# KiCad board fpga_panelized.kicad_pcb (continued)
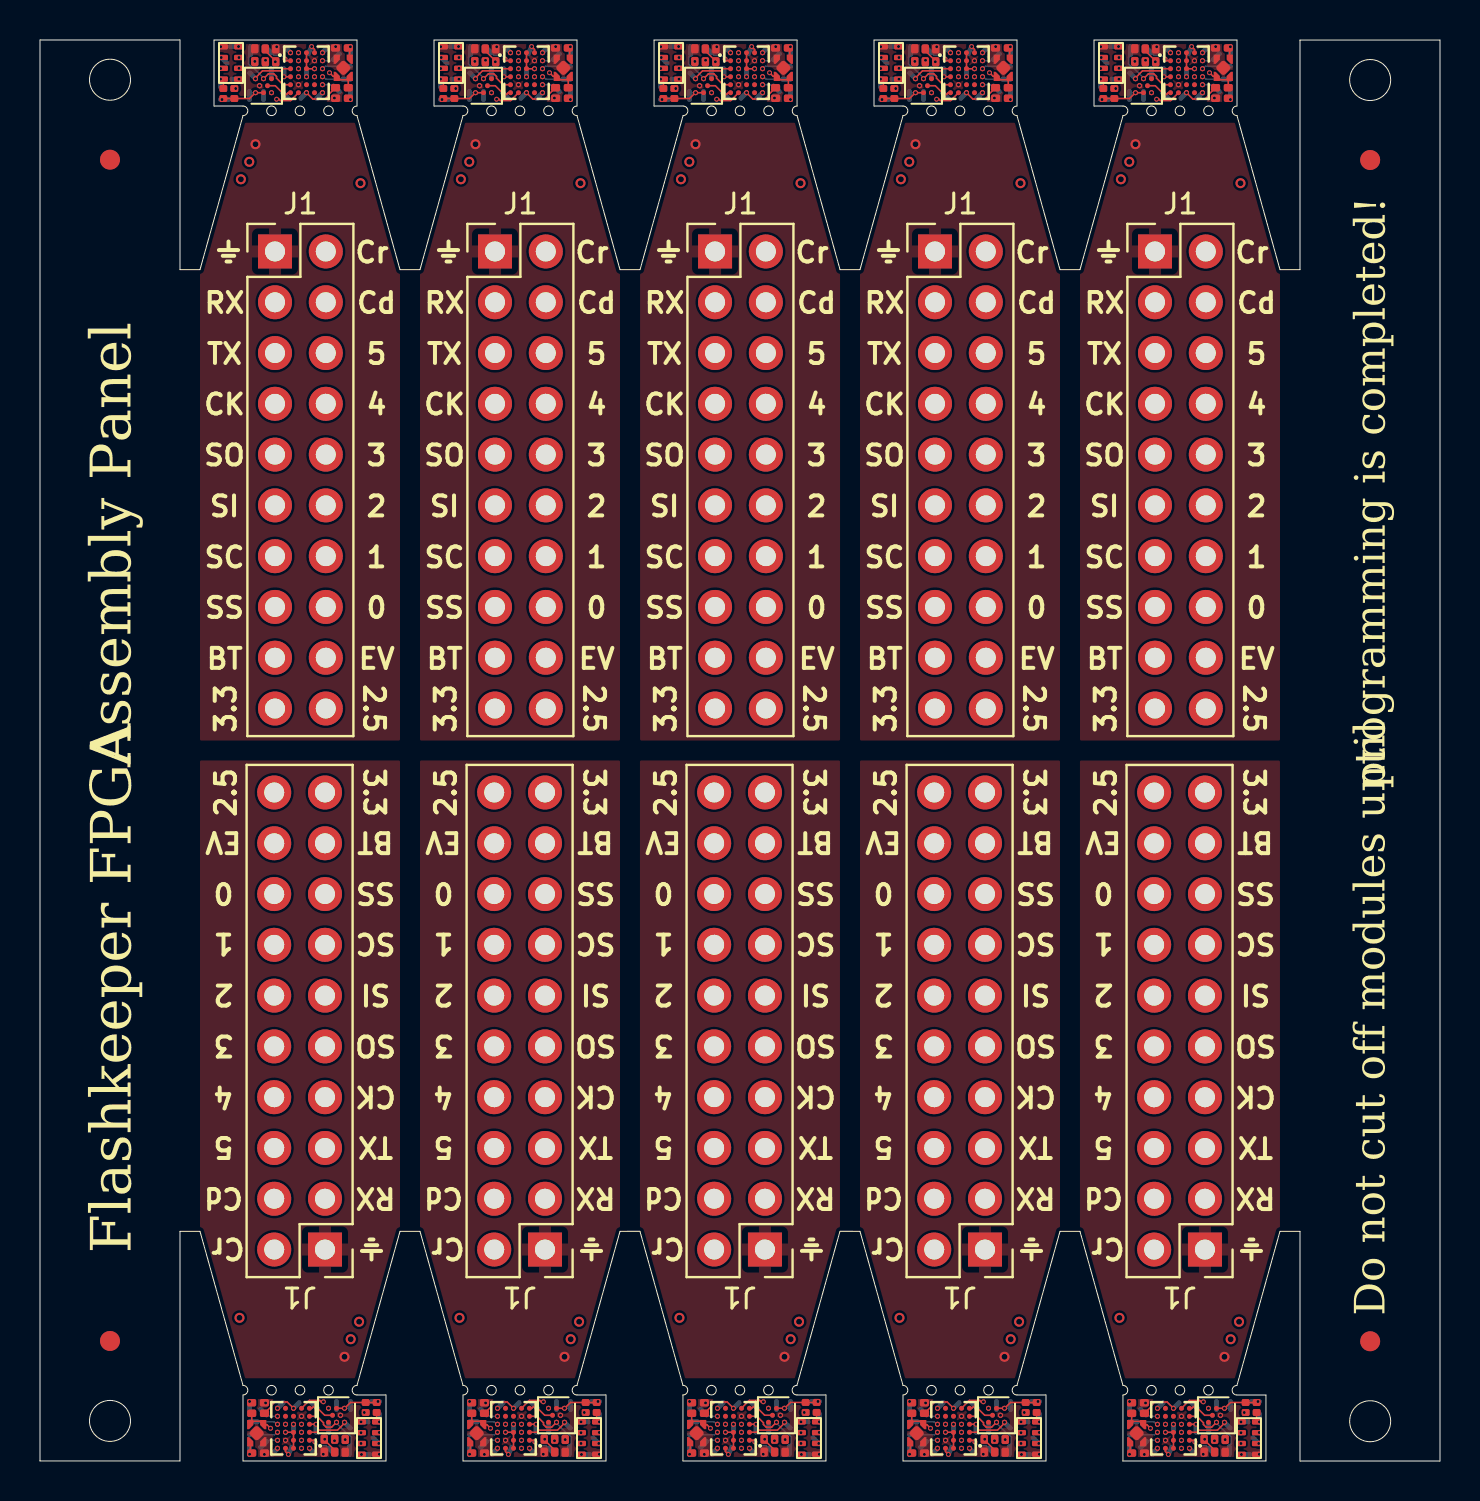
[diagram p0: board, top side]
## Routing (per net, layer and track width the routed paths; a pad name or vN(x,y) marks a point on that pad's centre or on a via; arc(x,y) is an arc through that point) (continued)
GPIO0: length 301.1
  In2.Cu w0.076: v1(55.87,0.64) 55.65,0.64 54.79,1.49 54.79,2.84 54.79,2.85 54.79,3.11 54.79,3.11 54.79,4.45 54.55,4.69 ; 32.55,4.69 32.79,4.45 32.79,3.11 32.79,3.11 32.79,2.85 32.79,2.84 32.79,1.5 33.65,0.64 v1(33.87,0.64) ; v1(22.88,0.64) 22.65,0.64 21.79,1.5 21.79,2.84 21.79,2.85 21.79,3.11 21.79,3.11 21.79,4.45 21.55,4.69 ; v1(47.12,70.44) 47.35,70.44 48.21,69.58 48.21,68.23 48.21,68.23 48.21,67.97 48.21,67.96 48.21,66.63 48.45,66.39 ; 15.45,66.39 15.21,66.63 15.21,67.96 15.21,67.97 15.21,68.23 15.21,68.23 15.21,69.58 14.35,70.44 v1(14.12,70.44) ; v1(58.12,70.44) 58.35,70.44 59.21,69.58 59.21,68.23 59.21,68.23 59.21,67.97 59.21,67.96 59.21,66.63 59.45,66.39 ; 10.55,4.69 10.79,4.45 10.79,3.11 10.79,3.11 10.79,2.85 10.79,2.84 10.79,1.5 11.65,0.64 v1(11.88,0.64) ; v1(25.12,70.44) 25.35,70.44 26.21,69.58 26.21,68.23 26.21,68.23 26.21,67.97 26.21,67.96 26.21,66.63 26.45,66.39 ; 43.55,4.69 43.79,4.45 43.79,3.11 43.79,3.11 43.79,2.85 43.79,2.84 43.79,1.5 44.65,0.64 v1(44.88,0.64) ; 37.45,66.39 37.21,66.63 37.21,67.96 37.21,67.97 37.21,68.23 37.21,68.23 37.21,69.58 36.35,70.44 v1(36.13,70.44)
  In2.Cu w0.125: 59.45,66.39 59.45,63.61 60.93,62.14 60.93,45.35 J1#2.16 ; 43.55,4.69 43.55,7.46 42.08,8.94 42.08,25.72 J1#5.16 ; J1#4.16 38.93,45.35 38.93,62.14 37.45,63.61 37.45,66.39 ; 54.55,4.69 54.55,7.46 53.07,8.94 53.07,25.72 J1#8.16 ; J1#9.16 9.08,25.72 9.08,8.94 10.55,7.46 10.55,4.69 ; 48.45,66.39 48.45,63.61 49.93,62.14 49.93,45.35 J1#3.16 ; J1#10.16 20.08,25.72 20.08,8.94 21.55,7.46 21.55,4.69 ; J1#7.16 31.07,25.72 31.07,8.94 32.55,7.46 32.55,4.69 ; J1#6.16 27.93,45.35 27.93,62.14 26.45,63.61 26.45,66.39 ; 15.45,66.39 15.45,63.61 16.93,62.14 16.93,45.35 J1.16
GPIO1: length 277.8
  In1.Cu w0.076: 37.05,66.44 37.06,66.44 37.06,67.97 37.1,68.01 37.1,68.25 37.06,68.29 37.06,69.3 36.32,70.04 v1(36.13,70.04) ; 43.95,4.64 43.94,4.63 43.94,3.1 43.91,3.06 43.91,2.82 43.94,2.78 43.94,1.77 44.68,1.04 v1(44.88,1.04) ; 21.95,4.64 21.94,4.63 21.94,3.1 21.91,3.06 21.91,2.82 21.95,2.78 21.95,1.77 22.68,1.04 v1(22.88,1.04) ; v1(58.12,70.04) 58.32,70.04 59.06,69.3 59.06,68.29 59.09,68.25 59.09,68.01 59.06,67.97 59.06,66.44 59.05,66.44 ; v1(33.87,1.04) 33.68,1.04 32.94,1.77 32.94,2.78 32.9,2.82 32.9,3.06 32.94,3.1 32.94,4.63 32.95,4.64 ; 54.95,4.64 54.94,4.63 54.94,3.1 54.9,3.06 54.9,2.82 54.94,2.78 54.94,1.77 55.68,1.04 v1(55.87,1.04) ; 15.05,66.44 15.06,66.44 15.06,67.97 15.09,68.01 15.09,68.25 15.06,68.29 15.06,69.3 14.32,70.04 v1(14.12,70.04) ; 10.95,4.64 10.94,4.63 10.94,3.1 10.91,3.06 10.91,2.82 10.95,2.78 10.95,1.77 11.68,1.04 v1(11.88,1.04) ; 26.05,66.44 26.06,66.44 26.06,67.97 26.09,68.01 26.09,68.25 26.06,68.29 26.06,69.3 25.32,70.04 v1(25.12,70.04) ; v1(47.12,70.04) 47.32,70.04 48.06,69.3 48.06,68.29 48.09,68.25 48.09,68.01 48.06,67.97 48.06,66.44 48.05,66.44
  In1.Cu w0.125: 54.95,4.64 54.95,7.41 53.32,9.04 53.32,23.43 J1#8.14 ; 48.05,66.44 48.05,63.66 49.68,62.04 49.68,47.64 J1#3.14 ; 37.05,66.44 37.05,63.66 38.68,62.04 38.68,47.64 J1#4.14 ; J1#7.14 31.32,23.43 31.32,9.04 32.95,7.41 32.95,4.64 ; 26.05,66.44 26.05,63.66 27.68,62.04 27.68,47.64 J1#6.14 ; 10.95,4.64 10.95,7.41 9.33,9.04 9.33,23.43 J1#9.14 ; J1#2.14 60.68,47.64 60.68,62.04 59.05,63.66 59.05,66.44 ; 43.95,4.64 43.95,7.41 42.33,9.04 42.33,23.43 J1#5.14 ; J1.14 16.68,47.64 16.68,62.04 15.05,63.66 15.05,66.44 ; 21.95,4.64 21.95,7.41 20.33,9.04 20.33,23.43 J1#10.14
  Bottom w0.076: v1(11.88,1.04) 11.47,1.04 11.23,0.8 11.21,0.8 TP3#6.1 ; v1(25.12,70.04) 25.53,70.04 25.77,70.27 25.79,70.27 TP3#9.1 ; v1(14.12,70.04) 14.53,70.04 14.77,70.27 14.79,70.27 TP3#3.1 ; v1(22.88,1.04) 22.47,1.04 22.23,0.8 22.21,0.8 TP3#7.1 ; v1(47.12,70.04) 47.53,70.04 47.77,70.27 47.79,70.27 TP3#2.1 ; TP3#10.1 55.21,0.8 55.23,0.8 55.47,1.04 v1(55.87,1.04) ; v1(36.13,70.04) 36.53,70.04 36.77,70.27 36.79,70.27 TP3#8.1 ; TP3#5.1 44.21,0.8 44.23,0.8 44.47,1.04 v1(44.88,1.04) ; v1(33.87,1.04) 33.47,1.04 33.23,0.8 33.21,0.8 TP3.1 ; v1(58.12,70.04) 58.53,70.04 58.77,70.27 58.79,70.27 TP3#4.1
GPIO2: length 256.1
  In2.Cu w0.076: v1(58.12,69.64) 58.23,69.64 58.34,69.75 58.61,69.75 58.9,69.45 58.9,68.43 59.03,68.3 59.03,68.04 58.9,67.91 58.9,66.54 58.75,66.39 ; 36.75,66.39 36.91,66.54 36.91,67.91 37.04,68.04 37.04,68.3 36.91,68.43 36.91,69.45 36.61,69.75 36.35,69.75 36.23,69.64 v1(36.13,69.64) ; 55.25,4.69 55.09,4.53 55.09,3.16 54.96,3.03 54.96,2.77 55.09,2.64 55.09,1.62 55.39,1.32 55.65,1.32 55.77,1.44 v1(55.87,1.44) ; 14.75,66.39 14.9,66.54 14.9,67.91 15.04,68.04 15.04,68.3 14.9,68.43 14.9,69.45 14.61,69.75 14.34,69.75 14.23,69.64 v1(14.12,69.64) ; v1(44.88,1.44) 44.77,1.44 44.66,1.32 44.39,1.32 44.1,1.62 44.1,2.64 43.97,2.77 43.97,3.03 44.1,3.17 44.1,4.53 44.25,4.69 ; 47.75,66.39 47.9,66.54 47.9,67.91 48.03,68.04 48.03,68.3 47.9,68.43 47.9,69.45 47.61,69.75 47.34,69.75 47.23,69.64 v1(47.12,69.64) ; 25.75,66.39 25.9,66.54 25.9,67.91 26.04,68.04 26.04,68.3 25.9,68.43 25.9,69.45 25.61,69.75 25.34,69.75 25.23,69.64 v1(25.12,69.64) ; 11.25,4.69 11.1,4.53 11.1,3.17 10.97,3.03 10.97,2.77 11.1,2.64 11.1,1.62 11.39,1.32 11.66,1.32 11.77,1.44 v1(11.88,1.44) ; v1(33.87,1.44) 33.77,1.44 33.65,1.32 33.39,1.32 33.09,1.62 33.09,2.64 32.96,2.77 32.96,3.03 33.09,3.17 33.09,4.54 33.25,4.69 ; v1(22.88,1.44) 22.77,1.44 22.66,1.32 22.39,1.32 22.1,1.62 22.1,2.64 21.97,2.77 21.97,3.03 22.1,3.17 22.1,4.53 22.25,4.69
  In2.Cu w0.125: J1#8.12 53.57,21.14 53.57,9.14 55.25,7.46 55.25,4.69 ; 36.75,66.39 36.75,63.61 38.43,61.94 38.43,49.93 J1#4.12 ; J1.12 16.43,49.93 16.43,61.94 14.75,63.61 14.75,66.39 ; 22.25,4.69 22.25,7.46 20.58,9.14 20.58,21.14 J1#10.12 ; J1#7.12 31.57,21.14 31.57,9.14 33.25,7.46 33.25,4.69 ; J1#5.12 42.58,21.14 42.58,9.14 44.25,7.46 44.25,4.69 ; J1#3.12 49.43,49.93 49.43,61.94 47.75,63.61 47.75,66.39 ; J1#6.12 27.43,49.93 27.43,61.94 25.75,63.61 25.75,66.39 ; 58.75,66.39 58.75,63.61 60.43,61.94 60.43,49.93 J1#2.12 ; J1#9.12 9.58,21.14 9.58,9.14 11.25,7.46 11.25,4.69
  Bottom w0.076: v1(55.87,1.44) 55.85,1.44 55.72,1.31 54.67,1.31 ; 10.68,1.31 11.73,1.31 11.85,1.44 v1(11.88,1.44) ; v1(47.12,69.64) 47.15,69.64 47.27,69.76 48.32,69.76 ; 32.67,1.31 33.72,1.31 33.85,1.44 v1(33.87,1.44) ; v1(25.12,69.64) 25.15,69.64 25.27,69.76 26.32,69.76 ; 21.68,1.31 22.73,1.31 22.85,1.44 v1(22.88,1.44) ; v1(58.12,69.64) 58.15,69.64 58.27,69.76 59.32,69.76 ; 15.32,69.76 14.27,69.76 14.15,69.64 v1(14.12,69.64) ; v1(44.88,1.44) 44.85,1.44 44.73,1.31 43.68,1.31 ; v1(36.13,69.64) 36.15,69.64 36.28,69.76 37.33,69.76
GPIO3: length 210.7
  In2.Cu w0.076: 45.1,4.69 45.21,4.58 45.21,2.83 45.21,2.83 45.21,2.53 44.92,2.24 v1(44.88,2.24) ; 12.1,4.69 12.21,4.58 12.21,2.83 12.21,2.83 12.21,2.53 11.92,2.24 v1(11.88,2.24) ; 34.1,4.69 34.21,4.58 34.21,2.83 34.21,2.83 34.21,2.53 33.92,2.24 v1(33.87,2.24) ; v1(47.12,68.84) 47.08,68.84 46.79,68.55 46.79,68.24 46.79,68.24 46.79,66.5 46.9,66.39 ; 57.9,66.39 57.79,66.5 57.79,68.24 57.79,68.24 57.79,68.55 58.08,68.84 v1(58.12,68.84) ; 56.1,4.69 56.21,4.58 56.21,2.83 56.21,2.83 56.21,2.52 55.92,2.24 v1(55.87,2.24) ; v1(25.12,68.84) 25.08,68.84 24.79,68.55 24.79,68.24 24.79,68.24 24.79,66.5 24.9,66.39 ; 23.1,4.69 23.21,4.58 23.21,2.83 23.21,2.83 23.21,2.53 22.92,2.24 v1(22.88,2.24) ; v1(14.12,68.84) 14.08,68.84 13.79,68.55 13.79,68.24 13.79,68.24 13.79,66.5 13.9,66.39 ; 35.9,66.39 35.79,66.5 35.79,68.24 35.79,68.24 35.79,68.55 36.08,68.84 v1(36.13,68.84)
  In2.Cu w0.125: J1#10.10 21.08,19.1 21.08,9.36 23.1,7.34 23.1,4.69 ; 46.9,66.39 46.9,63.74 48.93,61.71 48.93,51.97 J1#3.10 ; J1#6.10 26.93,51.97 26.93,61.71 24.9,63.74 24.9,66.39 ; J1#2.10 59.93,51.97 59.93,61.71 57.9,63.74 57.9,66.39 ; J1#5.10 43.08,19.1 43.08,9.36 45.1,7.34 45.1,4.69 ; 12.1,4.69 12.1,7.34 10.08,9.36 10.08,19.1 J1#9.10 ; 13.9,66.39 13.9,63.74 15.93,61.71 15.93,51.97 J1.10 ; 35.9,66.39 35.9,63.74 37.93,61.71 37.93,51.97 J1#4.10 ; J1#8.10 54.07,19.1 54.07,9.36 56.1,7.34 56.1,4.69 ; 34.1,4.69 34.1,7.34 32.07,9.36 32.07,19.1 J1#7.10
  Bottom w0.076: v1(36.13,68.84) 36.53,68.84 36.82,68.55 36.82,68.52 ; v1(44.88,2.24) 44.47,2.24 44.18,2.52 44.18,2.55 ; 55.18,2.55 55.18,2.52 55.47,2.24 v1(55.87,2.24) ; 47.82,68.52 47.82,68.55 47.53,68.84 v1(47.12,68.84) ; v1(33.87,2.24) 33.47,2.24 33.18,2.52 33.18,2.55 ; v1(22.88,2.24) 22.47,2.24 22.18,2.52 22.18,2.55 ; 14.82,68.52 14.82,68.55 14.53,68.84 v1(14.12,68.84) ; 11.18,2.55 11.18,2.52 11.47,2.24 v1(11.88,2.24) ; v1(25.12,68.84) 25.53,68.84 25.82,68.55 25.82,68.52 ; 58.82,68.52 58.82,68.55 58.53,68.84 v1(58.12,68.84)
GPIO4: length 199.2
  In1.Cu w0.076: v1(55.87,1.84) 55.83,1.84 55.56,2.11 55.56,2.76 55.74,2.95 55.96,2.95 56.05,3.05 56.05,4.38 55.75,4.69 ; 44.75,4.69 45.06,4.38 45.06,3.05 44.96,2.95 44.74,2.95 44.56,2.77 44.56,2.11 44.83,1.84 v1(44.88,1.84) ; 11.75,4.69 12.06,4.38 12.06,3.05 11.96,2.95 11.74,2.95 11.56,2.77 11.56,2.11 11.83,1.84 v1(11.88,1.84) ; v1(47.12,69.24) 47.17,69.24 47.44,68.97 47.44,68.31 47.26,68.12 47.04,68.12 46.94,68.03 46.94,66.69 47.25,66.39 ; v1(58.12,69.24) 58.17,69.24 58.44,68.97 58.44,68.31 58.26,68.12 58.04,68.12 57.94,68.03 57.94,66.69 58.25,66.39 ; v1(36.13,69.24) 36.17,69.24 36.44,68.97 36.44,68.31 36.26,68.12 36.04,68.12 35.95,68.03 35.95,66.69 36.25,66.39 ; 14.25,66.39 13.95,66.69 13.95,68.03 14.04,68.12 14.26,68.12 14.44,68.31 14.44,68.97 14.17,69.24 v1(14.12,69.24) ; 22.75,4.69 23.06,4.38 23.06,3.05 22.96,2.95 22.74,2.95 22.56,2.77 22.56,2.11 22.83,1.84 v1(22.88,1.84) ; v1(33.87,1.84) 33.83,1.84 33.56,2.11 33.56,2.77 33.74,2.95 33.96,2.95 34.05,3.05 34.05,4.38 33.75,4.69 ; v1(25.12,69.24) 25.17,69.24 25.44,68.97 25.44,68.31 25.26,68.12 25.04,68.12 24.95,68.03 24.95,66.69 25.25,66.39
  In1.Cu w0.125: J1#4.8 38.18,54.76 38.18,61.84 36.25,63.76 36.25,66.39 ; J1#9.8 9.83,16.31 9.83,9.24 11.75,7.31 11.75,4.69 ; J1.8 16.18,54.76 16.18,61.84 14.25,63.76 14.25,66.39 ; 47.25,66.39 47.25,63.76 49.18,61.84 49.18,54.76 J1#3.8 ; J1#2.8 60.18,54.76 60.18,61.84 58.25,63.76 58.25,66.39 ; 55.75,4.69 55.75,7.31 53.82,9.24 53.82,16.31 J1#8.8 ; J1#5.8 42.83,16.31 42.83,9.24 44.75,7.31 44.75,4.69 ; 25.25,66.39 25.25,63.76 27.18,61.84 27.18,54.76 J1#6.8 ; 33.75,4.69 33.75,7.31 31.82,9.24 31.82,16.31 J1#7.8 ; J1#10.8 20.83,16.31 20.83,9.24 22.75,7.31 22.75,4.69
  In2.Cu w0.076: v1(36.13,69.24) 36.17,69.24 ; v1(14.12,69.24) 14.17,69.24 ; v1(22.88,1.84) 22.83,1.84 ; v1(25.12,69.24) 25.17,69.24 ; v1(44.88,1.84) 44.83,1.84 ; v1(55.87,1.84) 55.83,1.84 ; v1(33.87,1.84) 33.83,1.84 ; v1(58.12,69.24) 58.17,69.24 ; v1(47.12,69.24) 47.17,69.24 ; v1(11.88,1.84) 11.83,1.84
  Bottom w0.076: v1(44.88,1.84) 44.83,1.84 44.7,1.96 43.68,1.96 43.73,1.96 43.74,1.95 ; 10.74,1.95 10.73,1.96 10.68,1.96 11.7,1.96 11.83,1.84 v1(11.88,1.84) ; v1(58.12,69.24) 58.17,69.24 58.3,69.11 59.32,69.11 59.27,69.11 59.26,69.12 ; 26.26,69.12 26.27,69.11 26.32,69.11 25.3,69.11 25.17,69.24 v1(25.12,69.24) ; 37.26,69.12 37.27,69.11 37.33,69.11 36.3,69.11 36.18,69.24 v1(36.13,69.24) ; v1(33.87,1.84) 33.82,1.84 33.7,1.96 32.67,1.96 32.73,1.96 32.74,1.95 ; 15.26,69.12 15.27,69.11 15.32,69.11 14.3,69.11 14.17,69.24 v1(14.12,69.24) ; v1(47.12,69.24) 47.17,69.24 47.3,69.11 48.32,69.11 48.27,69.11 48.26,69.12 ; v1(22.88,1.84) 22.83,1.84 22.7,1.96 21.68,1.96 21.73,1.96 21.74,1.95 ; v1(55.87,1.84) 55.82,1.84 55.7,1.96 54.67,1.96 54.73,1.96 54.74,1.95
GPIO5: length 147.5
  In1.Cu w0.076: v1(36.13,68.44) 36.1,68.44 35.64,67.98 35.64,66.5 35.53,66.39 ; 34.47,4.69 34.36,4.58 34.36,3.1 33.9,2.64 v1(33.87,2.64) ; 24.53,66.39 24.64,66.5 24.64,67.98 25.09,68.44 v1(25.12,68.44) ; v1(58.12,68.44) 58.09,68.44 57.64,67.98 57.64,66.5 57.53,66.39 ; v1(22.88,2.64) 22.91,2.64 23.37,3.1 23.37,4.58 23.48,4.69 ; 13.53,66.39 13.64,66.5 13.64,67.98 14.09,68.44 v1(14.12,68.44) ; v1(55.87,2.64) 55.9,2.64 56.36,3.1 56.36,4.58 56.47,4.69 ; 12.48,4.69 12.37,4.58 12.37,3.1 11.91,2.64 v1(11.88,2.64) ; v1(47.12,68.44) 47.09,68.44 46.64,67.98 46.64,66.5 46.53,66.39 ; v1(44.88,2.64) 44.91,2.64 45.37,3.1 45.37,4.58 45.47,4.69
  In1.Cu w0.125: 24.53,66.39 24.53,63.71 26.68,61.56 26.68,56.8 J1#6.6 ; 46.53,66.39 46.53,63.71 48.68,61.56 48.68,56.8 J1#3.6 ; 57.53,66.39 57.53,63.71 59.68,61.56 59.68,56.8 J1#2.6 ; J1.6 15.68,56.8 15.68,61.56 13.53,63.71 13.53,66.39 ; 34.47,4.69 34.47,7.36 32.32,9.51 32.32,14.27 J1#7.6 ; J1#8.6 54.32,14.27 54.32,9.51 56.47,7.36 56.47,4.69 ; 35.53,66.39 35.53,63.71 37.68,61.56 37.68,56.8 J1#4.6 ; 12.48,4.69 12.48,7.36 10.33,9.51 10.33,14.27 J1#9.6 ; J1#5.6 43.33,14.27 43.33,9.51 45.47,7.36 45.47,4.69 ; J1#10.6 21.33,14.27 21.33,9.51 23.48,7.36 23.48,4.69
RTC_INT: length 44.5
  Top w0.076: v1(24.58,70.75) 24.72,70.6 U1#4.A4 ; v1(45.42,0.33) 45.28,0.47 U1#6.A4 ; U1#5.A4 23.28,0.47 v1(23.42,0.33) ; U1#10.A4 12.28,0.47 v1(12.42,0.33) ; U1.A4 34.27,0.47 v1(34.42,0.33) ; U1#2.A4 56.27,0.47 v1(56.42,0.33) ; U1#8.A4 57.72,70.6 v1(57.58,70.75) ; v1(13.58,70.75) 13.72,70.6 U1#9.A4 ; U1#3.A4 46.72,70.6 v1(46.58,70.75) ; U1#7.A4 35.73,70.6 v1(35.58,70.75)
  In2.Cu w0.076: v1(20.95,69.66) 21.71,70.41 22.99,70.41 23.33,70.75 24.57,70.75 v1(24.58,70.75) ; v1(38.05,1.42) 38.05,1.42 37.29,0.66 36.01,0.66 35.67,0.32 34.42,0.32 v1(34.42,0.33) ; v1(35.58,70.75) 35.58,70.75 34.33,70.75 33.99,70.41 32.71,70.41 31.95,69.66 v1(31.95,69.66) ; v1(57.58,70.75) 57.57,70.75 56.33,70.75 55.99,70.41 54.71,70.41 v1(53.95,69.66) ; v1(46.58,70.75) 46.57,70.75 45.33,70.75 44.99,70.41 43.71,70.41 v1(42.95,69.66) ; v1(16.05,1.42) 15.29,0.66 14.01,0.66 13.67,0.32 12.43,0.32 v1(12.42,0.33) ; v1(23.42,0.33) 23.43,0.32 24.67,0.32 25.01,0.66 26.29,0.66 v1(27.05,1.42) ; v1(9.95,69.66) 10.71,70.41 11.99,70.41 12.33,70.75 13.57,70.75 v1(13.58,70.75) ; v1(56.42,0.33) 56.42,0.32 57.67,0.32 58.01,0.66 59.29,0.66 60.05,1.42 v1(60.05,1.42) ; v1(45.42,0.33) 45.43,0.32 46.67,0.32 47.01,0.66 48.29,0.66 v1(49.05,1.42)
RTC_SDA: length 35.3
  In4.Cu w0.076: v1(34.93,70.44) 34.93,70.61 34.79,70.75 34.34,70.75 33.99,70.4 32.27,70.4 31.95,70.72 31.93,70.72 31.93,70.73 v1(31.93,70.75) ; v1(56.92,70.44) 56.92,70.61 56.79,70.75 56.34,70.75 55.99,70.4 54.27,70.4 53.95,70.72 53.93,70.72 53.93,70.73 v1(53.93,70.75) ; v1(35.07,0.64) 35.07,0.46 35.21,0.32 35.66,0.32 36.01,0.67 37.73,0.67 38.05,0.35 38.07,0.35 38.07,0.35 v1(38.07,0.33) ; v1(57.07,0.64) 57.07,0.46 57.21,0.32 57.66,0.32 58.01,0.67 59.73,0.67 60.05,0.35 60.07,0.35 60.07,0.35 v1(60.07,0.33) ; v1(9.93,70.75) 9.93,70.73 9.93,70.72 9.95,70.72 10.27,70.4 11.99,70.4 12.34,70.75 12.79,70.75 12.92,70.61 v1(12.92,70.44) ; v1(42.93,70.75) 42.93,70.73 42.93,70.72 42.95,70.72 43.27,70.4 44.99,70.4 45.34,70.75 45.79,70.75 45.92,70.61 v1(45.92,70.44) ; v1(13.08,0.64) 13.08,0.46 13.21,0.32 13.66,0.32 14.01,0.67 15.73,0.67 16.05,0.35 16.07,0.35 16.07,0.35 v1(16.07,0.33) ; v1(27.07,0.33) 27.07,0.35 27.07,0.35 27.05,0.35 26.73,0.67 25.01,0.67 24.66,0.32 24.21,0.32 24.08,0.46 v1(24.08,0.64) ; v1(23.92,70.44) 23.92,70.61 23.79,70.75 23.34,70.75 22.99,70.4 21.27,70.4 20.95,70.72 20.93,70.72 20.93,70.73 v1(20.93,70.75) ; v1(46.08,0.64) 46.08,0.46 46.21,0.32 46.66,0.32 47.01,0.67 48.73,0.67 49.05,0.35 49.07,0.35 49.07,0.35 v1(49.07,0.33)
Net-(U1-VCCPLL): length 22.1
  Top w0.076: R3#6.2 11.24,70.63 11.24,70.62 11.24,70.61 11.27,70.58 11.27,70.52 11.76,70.03 11.76,70.01 C1.1 ; C1#5.1 58.23,1.06 58.23,1.04 58.72,0.55 58.72,0.5 58.76,0.46 58.76,0.45 58.75,0.45 R3#3.2 ; R3#2.2 47.76,0.45 47.76,0.45 47.76,0.46 47.73,0.5 47.73,0.55 47.24,1.04 47.24,1.06 C1#7.1 ; R3#5.2 44.24,70.63 44.24,70.62 44.24,70.61 44.27,70.58 44.27,70.52 44.76,70.03 44.76,70.01 C1#2.1 ; C1#8.1 22.76,70.01 22.76,70.03 22.27,70.52 22.27,70.58 22.24,70.61 22.24,70.62 22.24,70.63 R3#8.2 ; R3#7.2 14.76,0.45 14.76,0.45 14.76,0.46 14.73,0.5 14.73,0.55 14.24,1.04 14.24,1.06 C1#9.1 ; R3#9.2 55.24,70.63 55.24,70.62 55.24,70.61 55.27,70.58 55.27,70.52 55.76,70.03 55.76,70.01 C1#4.1 ; R3.2 25.76,0.45 25.76,0.45 25.76,0.46 25.73,0.5 25.73,0.55 25.24,1.04 25.24,1.06 C1#3.1 ; R3#10.2 36.75,0.45 36.76,0.45 36.76,0.46 36.72,0.5 36.72,0.55 36.23,1.04 36.23,1.06 C1#6.1 ; R3#4.2 33.25,70.63 33.24,70.62 33.24,70.61 33.28,70.58 33.28,70.52 33.77,70.03 33.77,70.01 C1#10.1
  In1.Cu w0.076: C1#3.1 25.21,1.11 25.05,1.27 24.62,1.27 24.38,1.04 v1(24.08,1.04) ; v1(56.92,70.04) 56.62,70.04 56.38,69.8 55.95,69.8 55.79,69.96 C1#4.1 ; C1#8.1 22.79,69.96 22.95,69.8 23.38,69.8 23.62,70.04 v1(23.92,70.04) ; v1(34.93,70.04) 34.62,70.04 34.39,69.8 33.95,69.8 33.79,69.96 C1#10.1 ; v1(35.07,1.04) 35.38,1.04 35.61,1.27 36.05,1.27 36.21,1.11 C1#6.1 ; C1.1 11.79,69.96 11.95,69.8 12.38,69.8 12.62,70.04 v1(12.92,70.04) ; C1#7.1 47.21,1.11 47.05,1.27 46.62,1.27 46.38,1.04 v1(46.08,1.04) ; v1(13.08,1.04) 13.38,1.04 13.62,1.27 14.05,1.27 14.21,1.11 C1#9.1 ; C1#2.1 44.79,69.96 44.95,69.8 45.38,69.8 45.62,70.04 v1(45.92,70.04) ; v1(57.07,1.04) 57.38,1.04 57.61,1.27 58.05,1.27 58.21,1.11 C1#5.1
  vias: v1(11.76,69.99) v1(14.24,1.09) v1(22.76,69.99) v1(25.24,1.09) v1(33.77,69.99) v1(36.23,1.09) v1(44.76,69.99) v1(47.24,1.09) v1(55.76,69.99) v1(58.23,1.09)

## Copper pours and planes (outline as drawn; the poured copper is in the pictures)
+1V2 on In4.Cu: 31.67,2.04 34.67,1.39 34.67,3.1 39.4,3.1 39.4,-0.06 31.67,-0.06
+1V2 on In4.Cu: 38.33,69.04 35.33,69.69 35.33,67.97 30.6,67.97 30.6,71.14 38.33,71.14
+1V2 on In4.Cu: 16.32,69.04 13.32,69.69 13.32,67.97 8.6,67.97 8.6,71.14 16.32,71.14
+1V2 on In4.Cu: 60.32,69.04 57.32,69.69 57.32,67.97 52.6,67.97 52.6,71.14 60.32,71.14
+1V2 on In4.Cu: 49.32,69.04 46.32,69.69 46.32,67.97 41.6,67.97 41.6,71.14 49.32,71.14
+1V2 on In4.Cu: 53.67,2.04 56.67,1.39 56.67,3.1 61.4,3.1 61.4,-0.06 53.67,-0.06
+1V2 on In4.Cu: 20.68,2.04 23.68,1.39 23.68,3.1 28.4,3.1 28.4,-0.06 20.68,-0.06
+1V2 on In4.Cu: 9.68,2.04 12.68,1.39 12.68,3.1 17.4,3.1 17.4,-0.06 9.68,-0.06
+1V2 on In4.Cu: 27.32,69.04 24.32,69.69 24.32,67.97 19.6,67.97 19.6,71.14 27.32,71.14
+1V2 on In4.Cu: 42.68,2.04 45.68,1.39 45.68,3.1 50.4,3.1 50.4,-0.06 42.68,-0.06
+2V5 on In4.Cu: 24.52,69.44 24.52,67.97 27.32,67.97 27.32,68.79
+2V5 on In4.Cu: 57.52,69.44 57.52,67.97 60.32,67.97 60.32,68.79
+2V5 on In4.Cu: 35.53,69.44 35.53,67.97 38.33,67.97 38.33,68.79
+2V5 on In4.Cu: 46.52,69.44 46.52,67.97 49.32,67.97 49.32,68.79
+2V5 on In4.Cu: 45.48,1.64 45.48,3.1 42.68,3.1 42.68,2.29
+2V5 on In4.Cu: 34.47,1.64 34.47,3.1 31.67,3.1 31.67,2.29
+2V5 on In4.Cu: 13.52,69.44 13.52,67.97 16.32,67.97 16.32,68.79
+2V5 on In4.Cu: 56.47,1.64 56.47,3.1 53.67,3.1 53.67,2.29
+2V5 on In4.Cu: 12.48,1.64 12.48,3.1 9.68,3.1 9.68,2.29
+2V5 on In4.Cu: 23.48,1.64 23.48,3.1 20.68,3.1 20.68,2.29
GND on Top, Bottom: 18,36.04 8,36.04 8,66.94 18,66.94
GND on Top, Bottom: 52,35.04 62,35.04 62,4.14 52,4.14
GND on Top, Bottom: 41,35.04 51,35.04 51,4.14 41,4.14
GND on Top, Bottom: 40,36.04 30,36.04 30,66.94 40,66.94
GND on Top, Bottom: 30,35.04 40,35.04 40,4.14 30,4.14
GND on Top, Bottom: 19,35.04 29,35.04 29,4.14 19,4.14
GND on Top, Bottom: 8,35.04 18,35.04 18,4.14 8,4.14
GND on Top, Bottom: 51,36.04 41,36.04 41,66.94 51,66.94
GND on Top, Bottom: 62,36.04 52,36.04 52,66.94 62,66.94
GND on Top, Bottom: 29,36.04 19,36.04 19,66.94 29,66.94
GND on Top, Bottom, In1.Cu: 38.38,67.97 38.38,71.19 30.55,71.19 30.55,67.97
GND on Top, Bottom, In1.Cu: 20.63,3.1 20.63,-0.11 28.45,-0.11 28.45,3.1
GND on Top, Bottom, In1.Cu: 27.37,67.97 27.37,71.19 19.55,71.19 19.55,67.97
GND on Top, Bottom, In1.Cu: 31.62,3.1 31.62,-0.11 39.45,-0.11 39.45,3.1
GND on Top, Bottom, In1.Cu: 53.62,3.1 53.62,-0.11 61.45,-0.11 61.45,3.1
GND on Top, Bottom, In1.Cu: 9.63,3.1 9.63,-0.11 17.45,-0.11 17.45,3.1
GND on Top, Bottom, In1.Cu: 42.63,3.1 42.63,-0.11 50.45,-0.11 50.45,3.1
GND on Top, Bottom, In1.Cu: 16.37,67.97 16.37,71.19 8.55,71.19 8.55,67.97
GND on Top, Bottom, In1.Cu: 60.37,67.97 60.37,71.19 52.55,71.19 52.55,67.97
GND on Top, Bottom, In1.Cu: 49.37,67.97 49.37,71.19 41.55,71.19 41.55,67.97
VBUS on In3.Cu: 19.5,71.24 27.42,71.24 27.42,67.97 19.5,67.97
VBUS on In3.Cu: 30.5,71.24 38.43,71.24 38.43,67.97 30.5,67.97
VBUS on In3.Cu: 28.5,-0.16 20.58,-0.16 20.58,3.1 28.5,3.1
VBUS on In3.Cu: 8.5,71.24 16.42,71.24 16.42,67.97 8.5,67.97
VBUS on In3.Cu: 50.5,-0.16 42.58,-0.16 42.58,3.1 50.5,3.1
VBUS on In3.Cu: 41.5,71.24 49.42,71.24 49.42,67.97 41.5,67.97
VBUS on In3.Cu: 17.5,-0.16 9.58,-0.16 9.58,3.1 17.5,3.1
VBUS on In3.Cu: 39.5,-0.16 31.57,-0.16 31.57,3.1 39.5,3.1
VBUS on In3.Cu: 61.5,-0.16 53.57,-0.16 53.57,3.1 61.5,3.1
VBUS on In3.Cu: 52.5,71.24 60.42,71.24 60.42,67.97 52.5,67.97
VBUS on In4.Cu: 51.1,4.14 40.85,4.14 40.85,35.19 51.1,35.19
VBUS on In4.Cu: 62.1,4.14 51.85,4.14 51.85,35.19 62.1,35.19
VBUS on In4.Cu: 29.1,4.14 18.85,4.14 18.85,35.19 29.1,35.19
VBUS on In4.Cu: 29.9,66.94 40.15,66.94 40.15,35.89 29.9,35.89
VBUS on In4.Cu: 18.9,66.94 29.15,66.94 29.15,35.89 18.9,35.89
VBUS on In4.Cu: 40.1,4.14 29.85,4.14 29.85,35.19 40.1,35.19
VBUS on In4.Cu: 51.9,66.94 62.15,66.94 62.15,35.89 51.9,35.89
VBUS on In4.Cu: 18.1,4.14 7.85,4.14 7.85,35.19 18.1,35.19
VBUS on In4.Cu: 40.9,66.94 51.15,66.94 51.15,35.89 40.9,35.89
VBUS on In4.Cu: 7.9,66.94 18.15,66.94 18.15,35.89 7.9,35.89

## Text on the board
B.Silkscreen: FPGA SoM Breakout | flashkeeper.org
User.Comments: V-Cut
F.Silkscreen: RX | TX | CK | SO | SI | SC | SS | BT | ⏚ | Cr | Cd | 5 | 4 | 3 | 2 | 1 | 0 | EV | 3.3 | 2.5 | Do not cut off modules until | programming is completed! | Assembly Panel | Flashkeeper FPGA
